# Altium PCB power-v3.3.PcbDoc (part 1 of 3)
Units mm, origin at the board's own origin, x right, y up, seen from the top; angles counter-clockwise.
Board outline 155.99 x 87.14 mm, 4 copper layers (Signal 1, Ground, Power, Signal 2), stack 1.536 mm thick; 227 components, 142 nets, 618 pads, 1072 vias.
Unrouted connection lines stored in the file: 100.
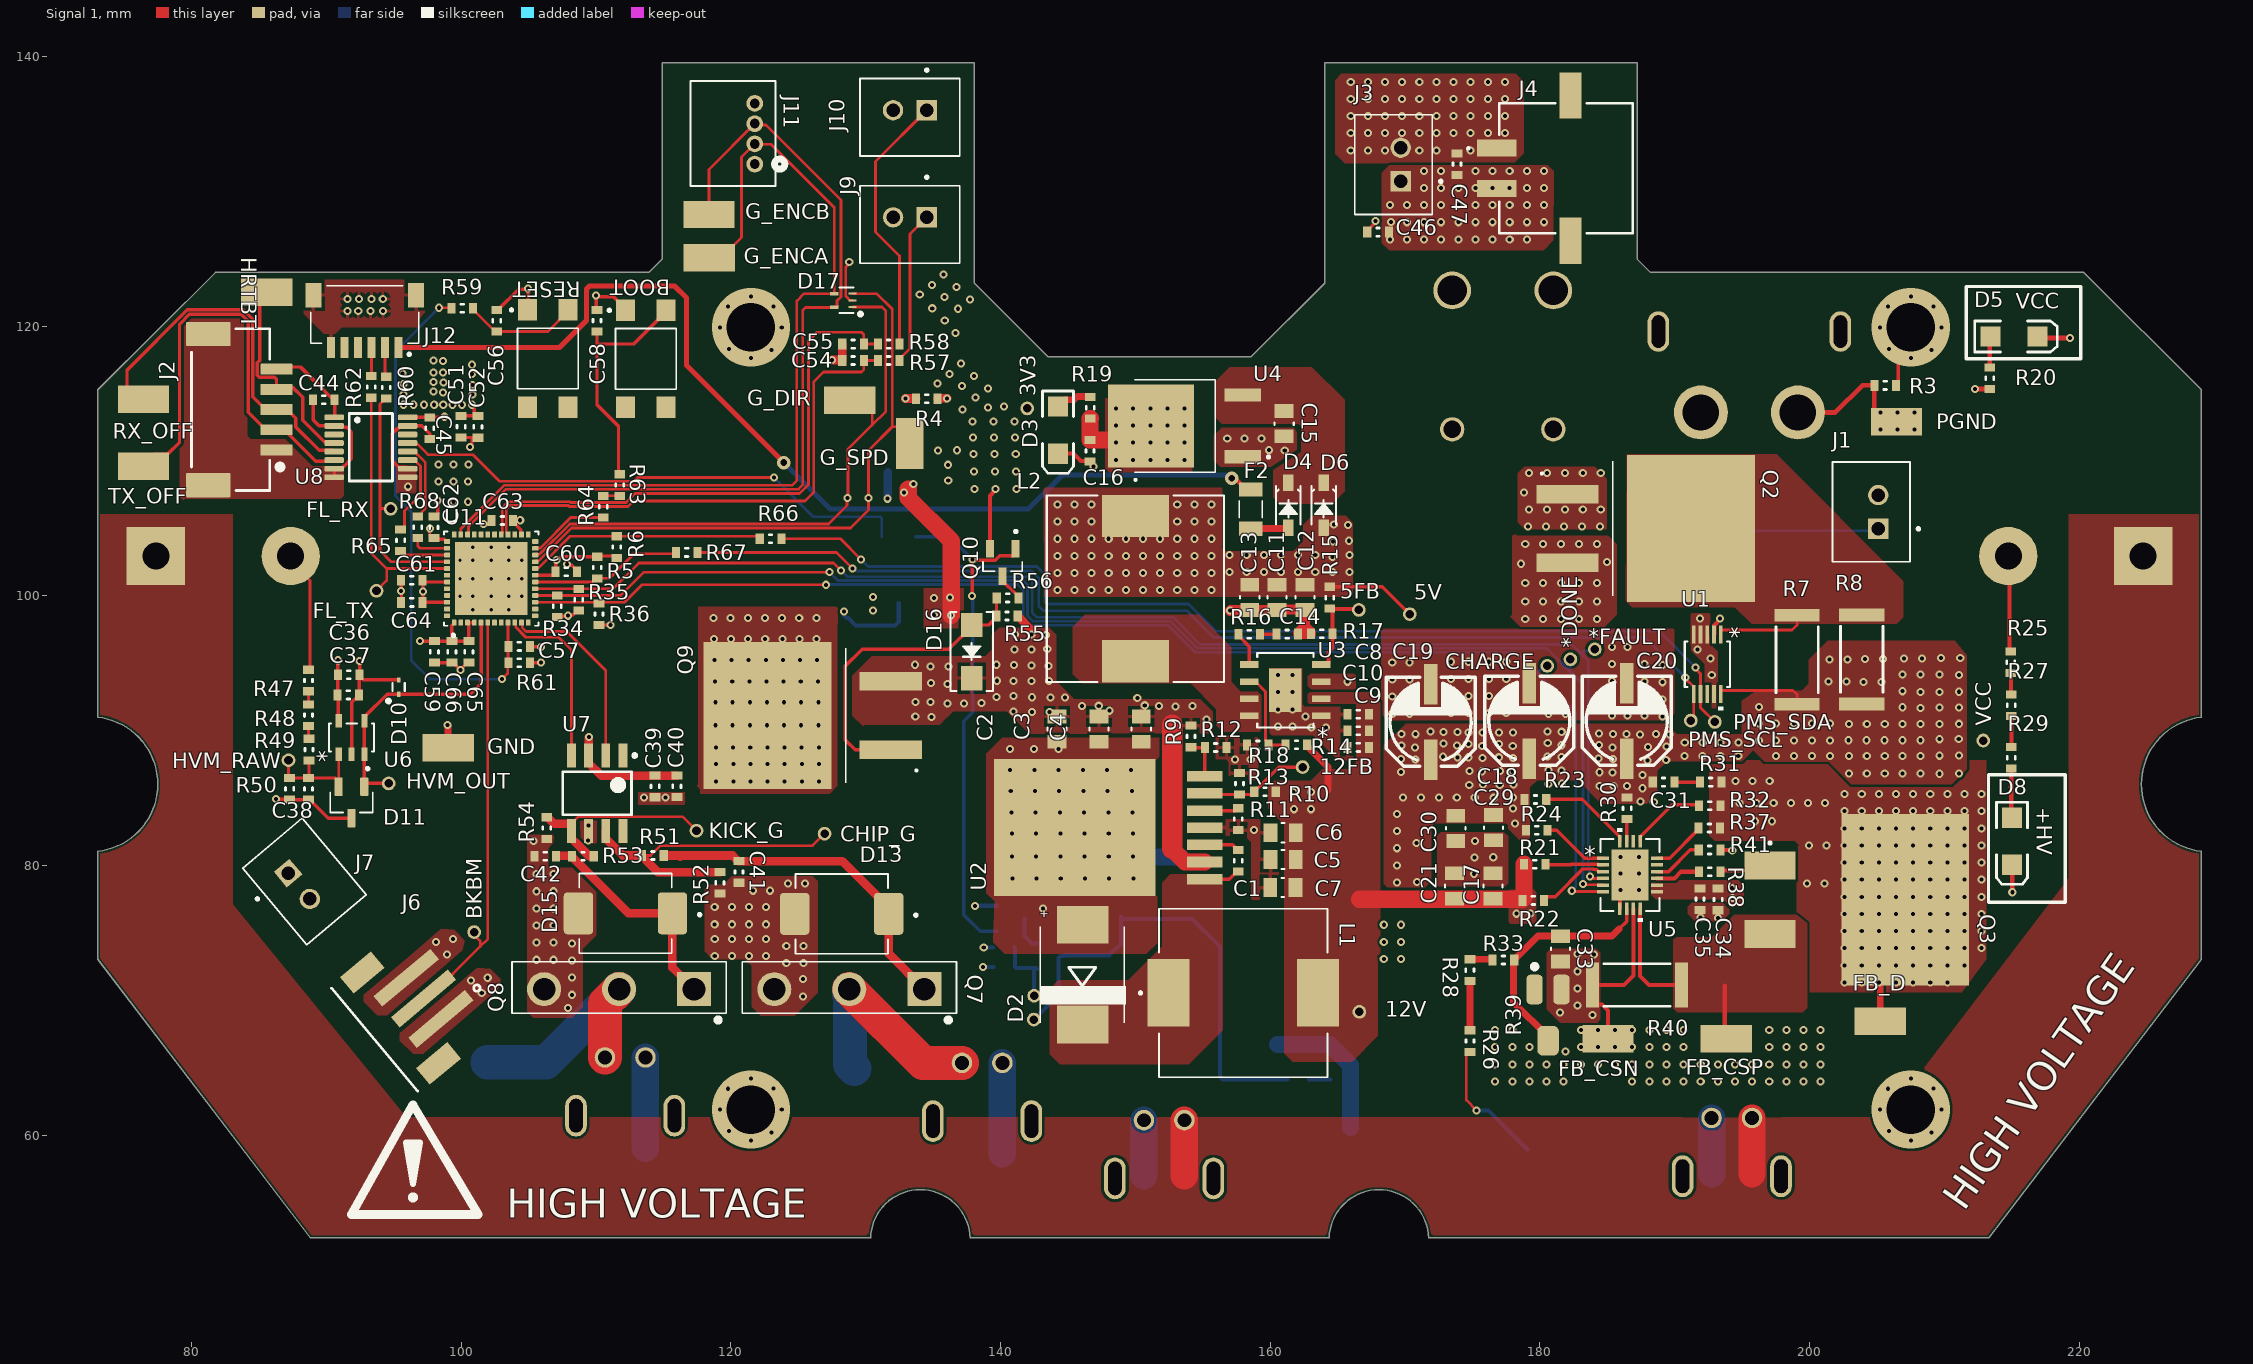
[diagram p0: Signal 1 view]
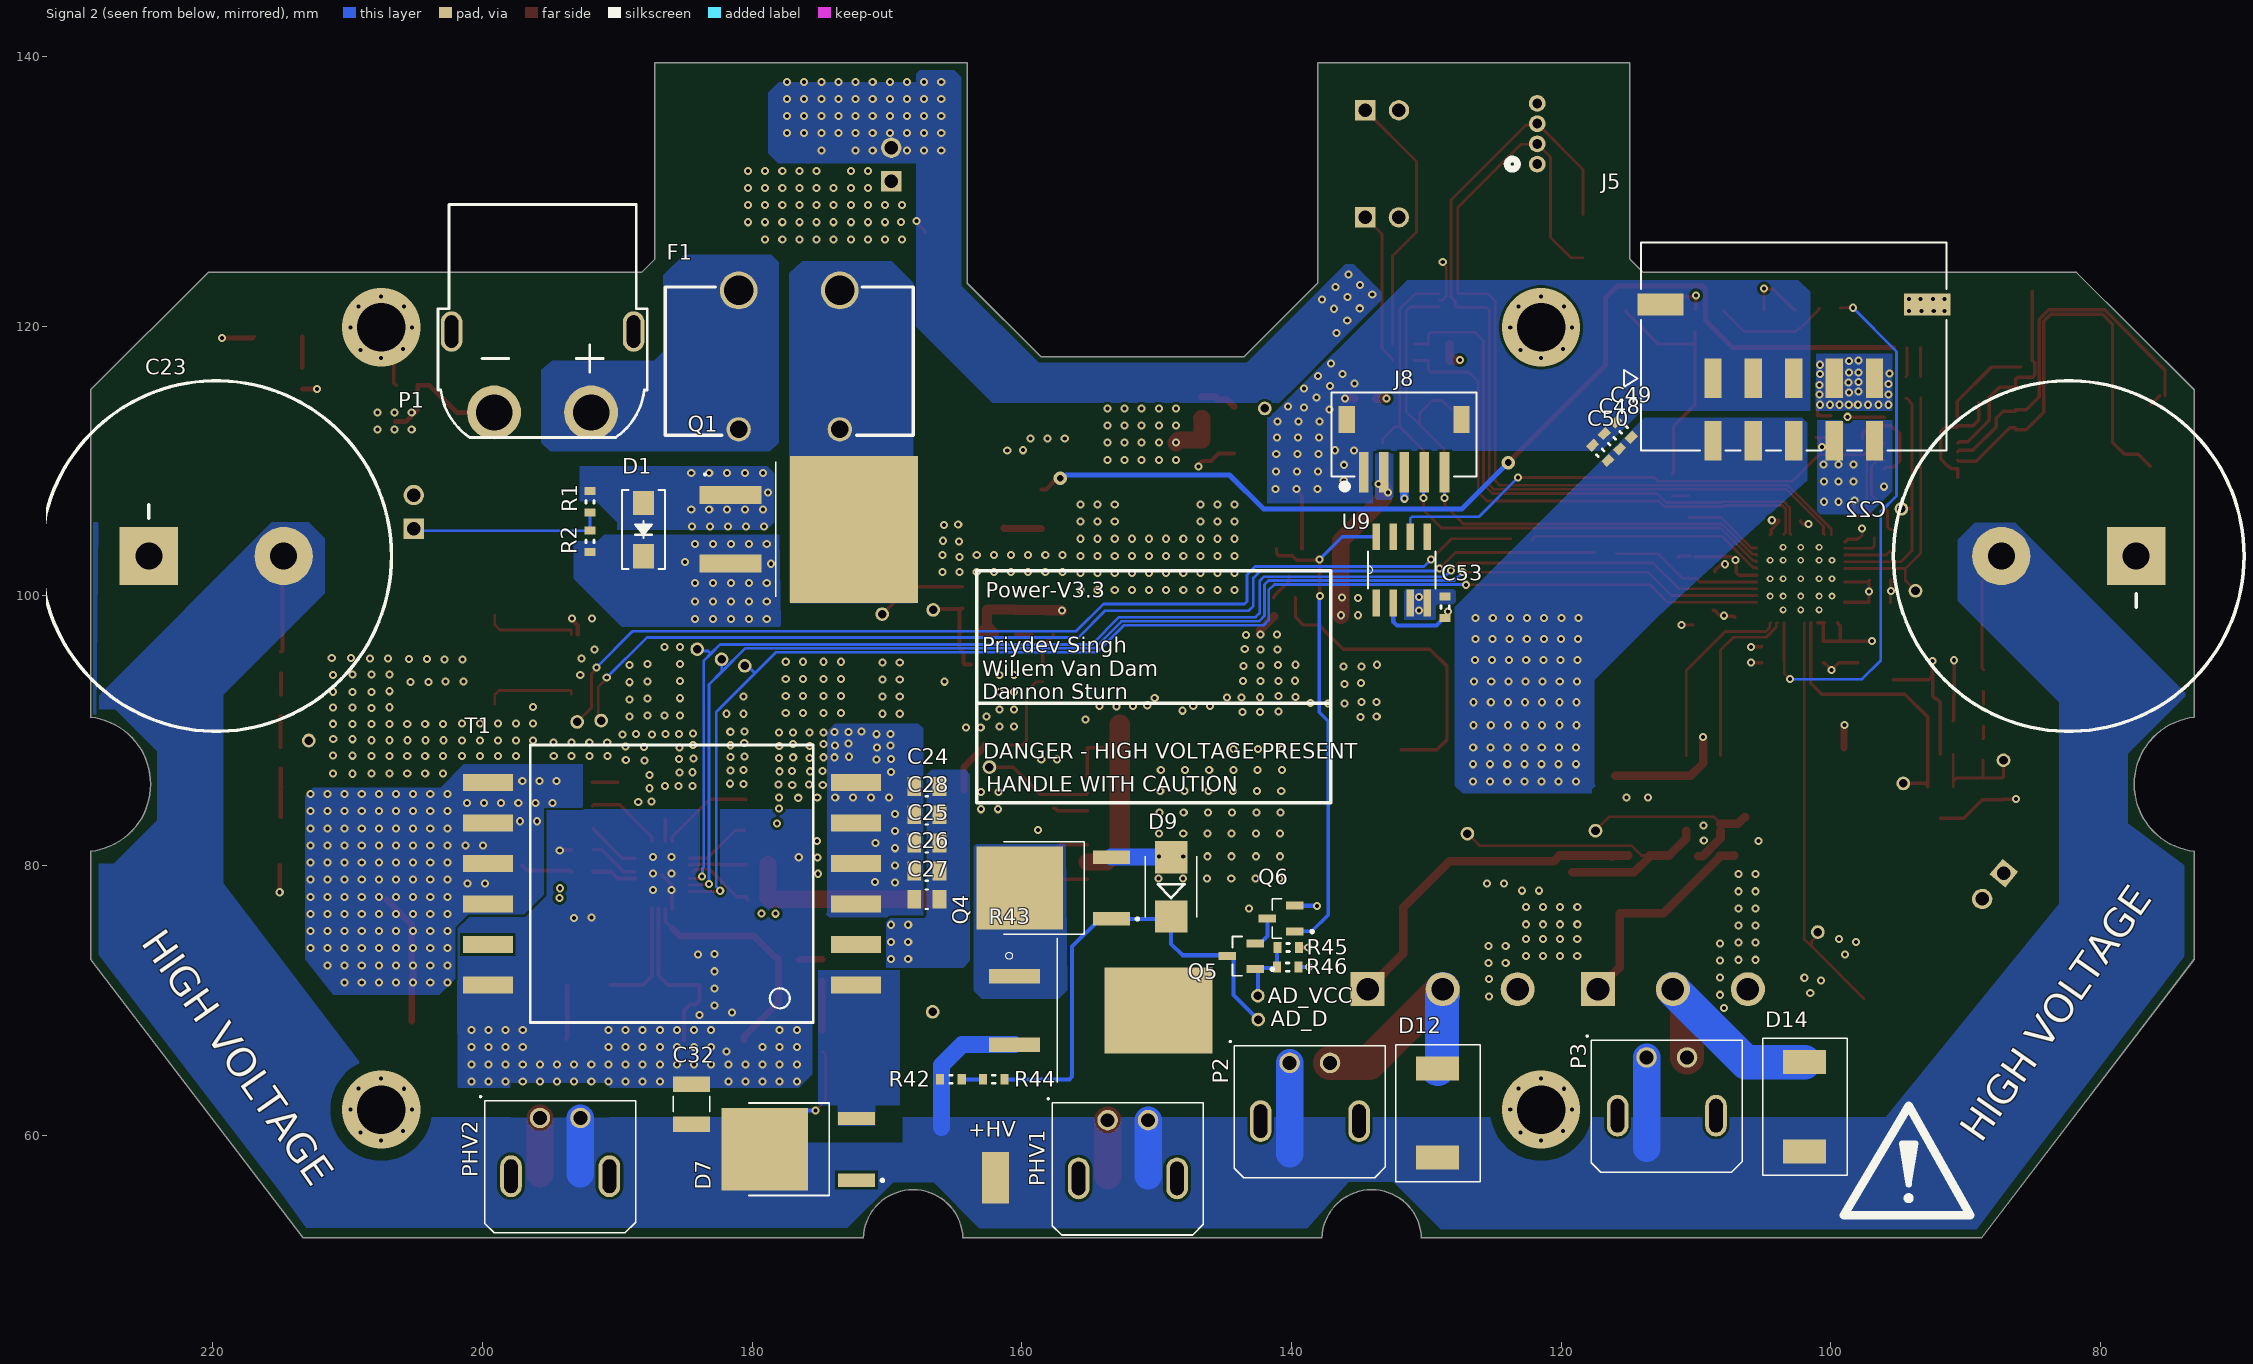
[diagram p1: Signal 2 view, seen from below]
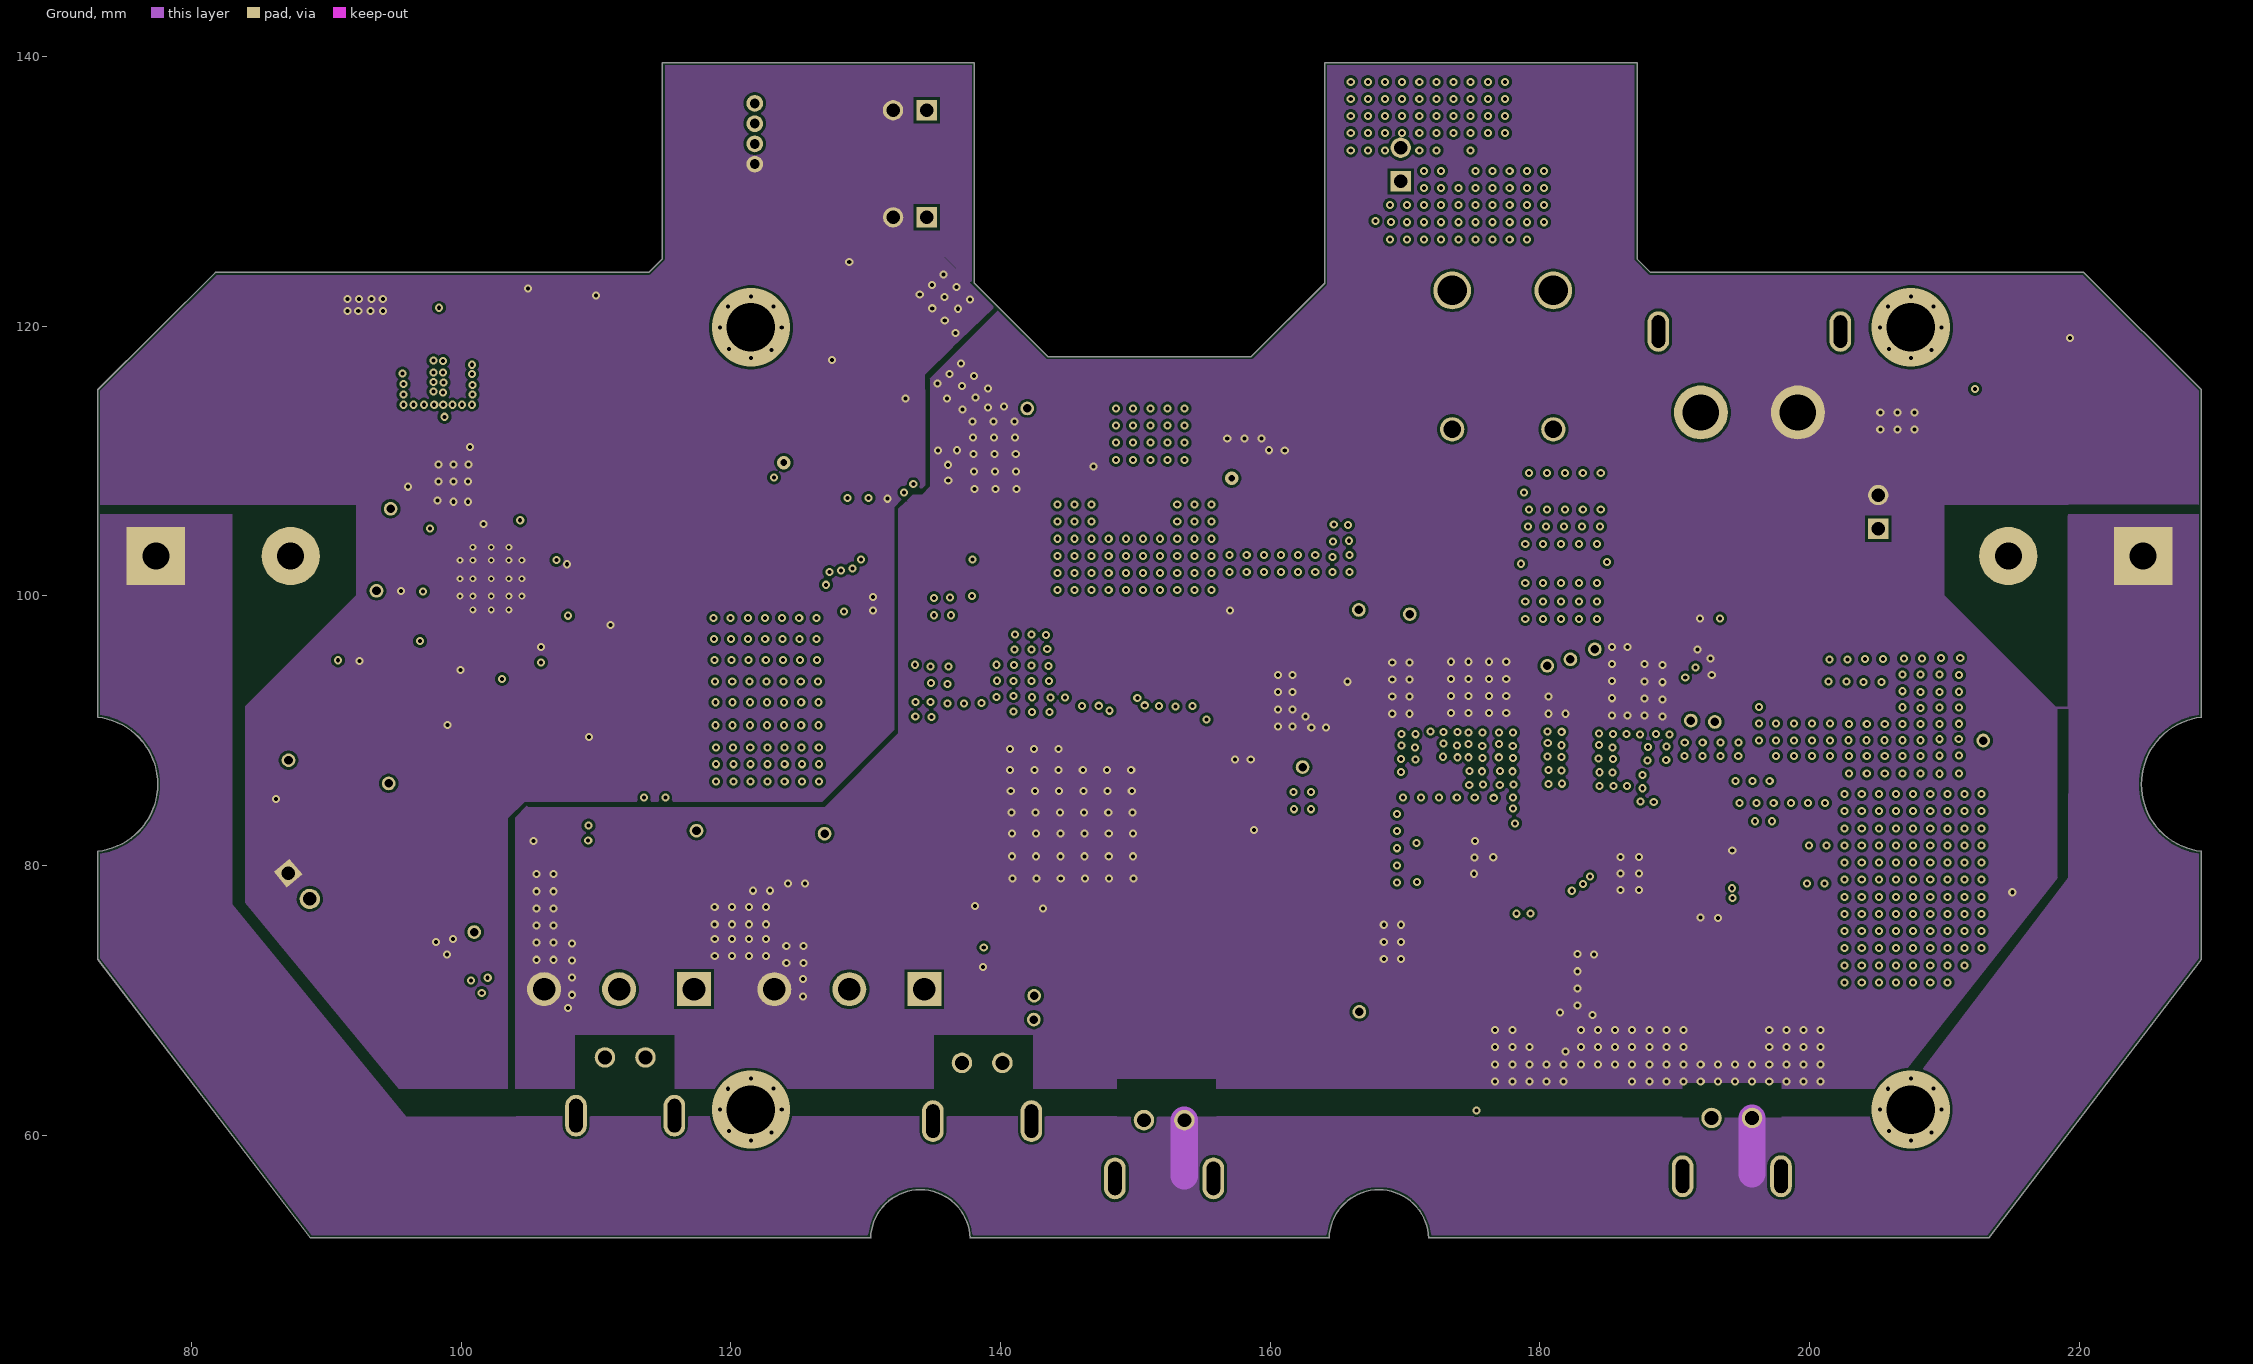
[diagram p2: Ground]
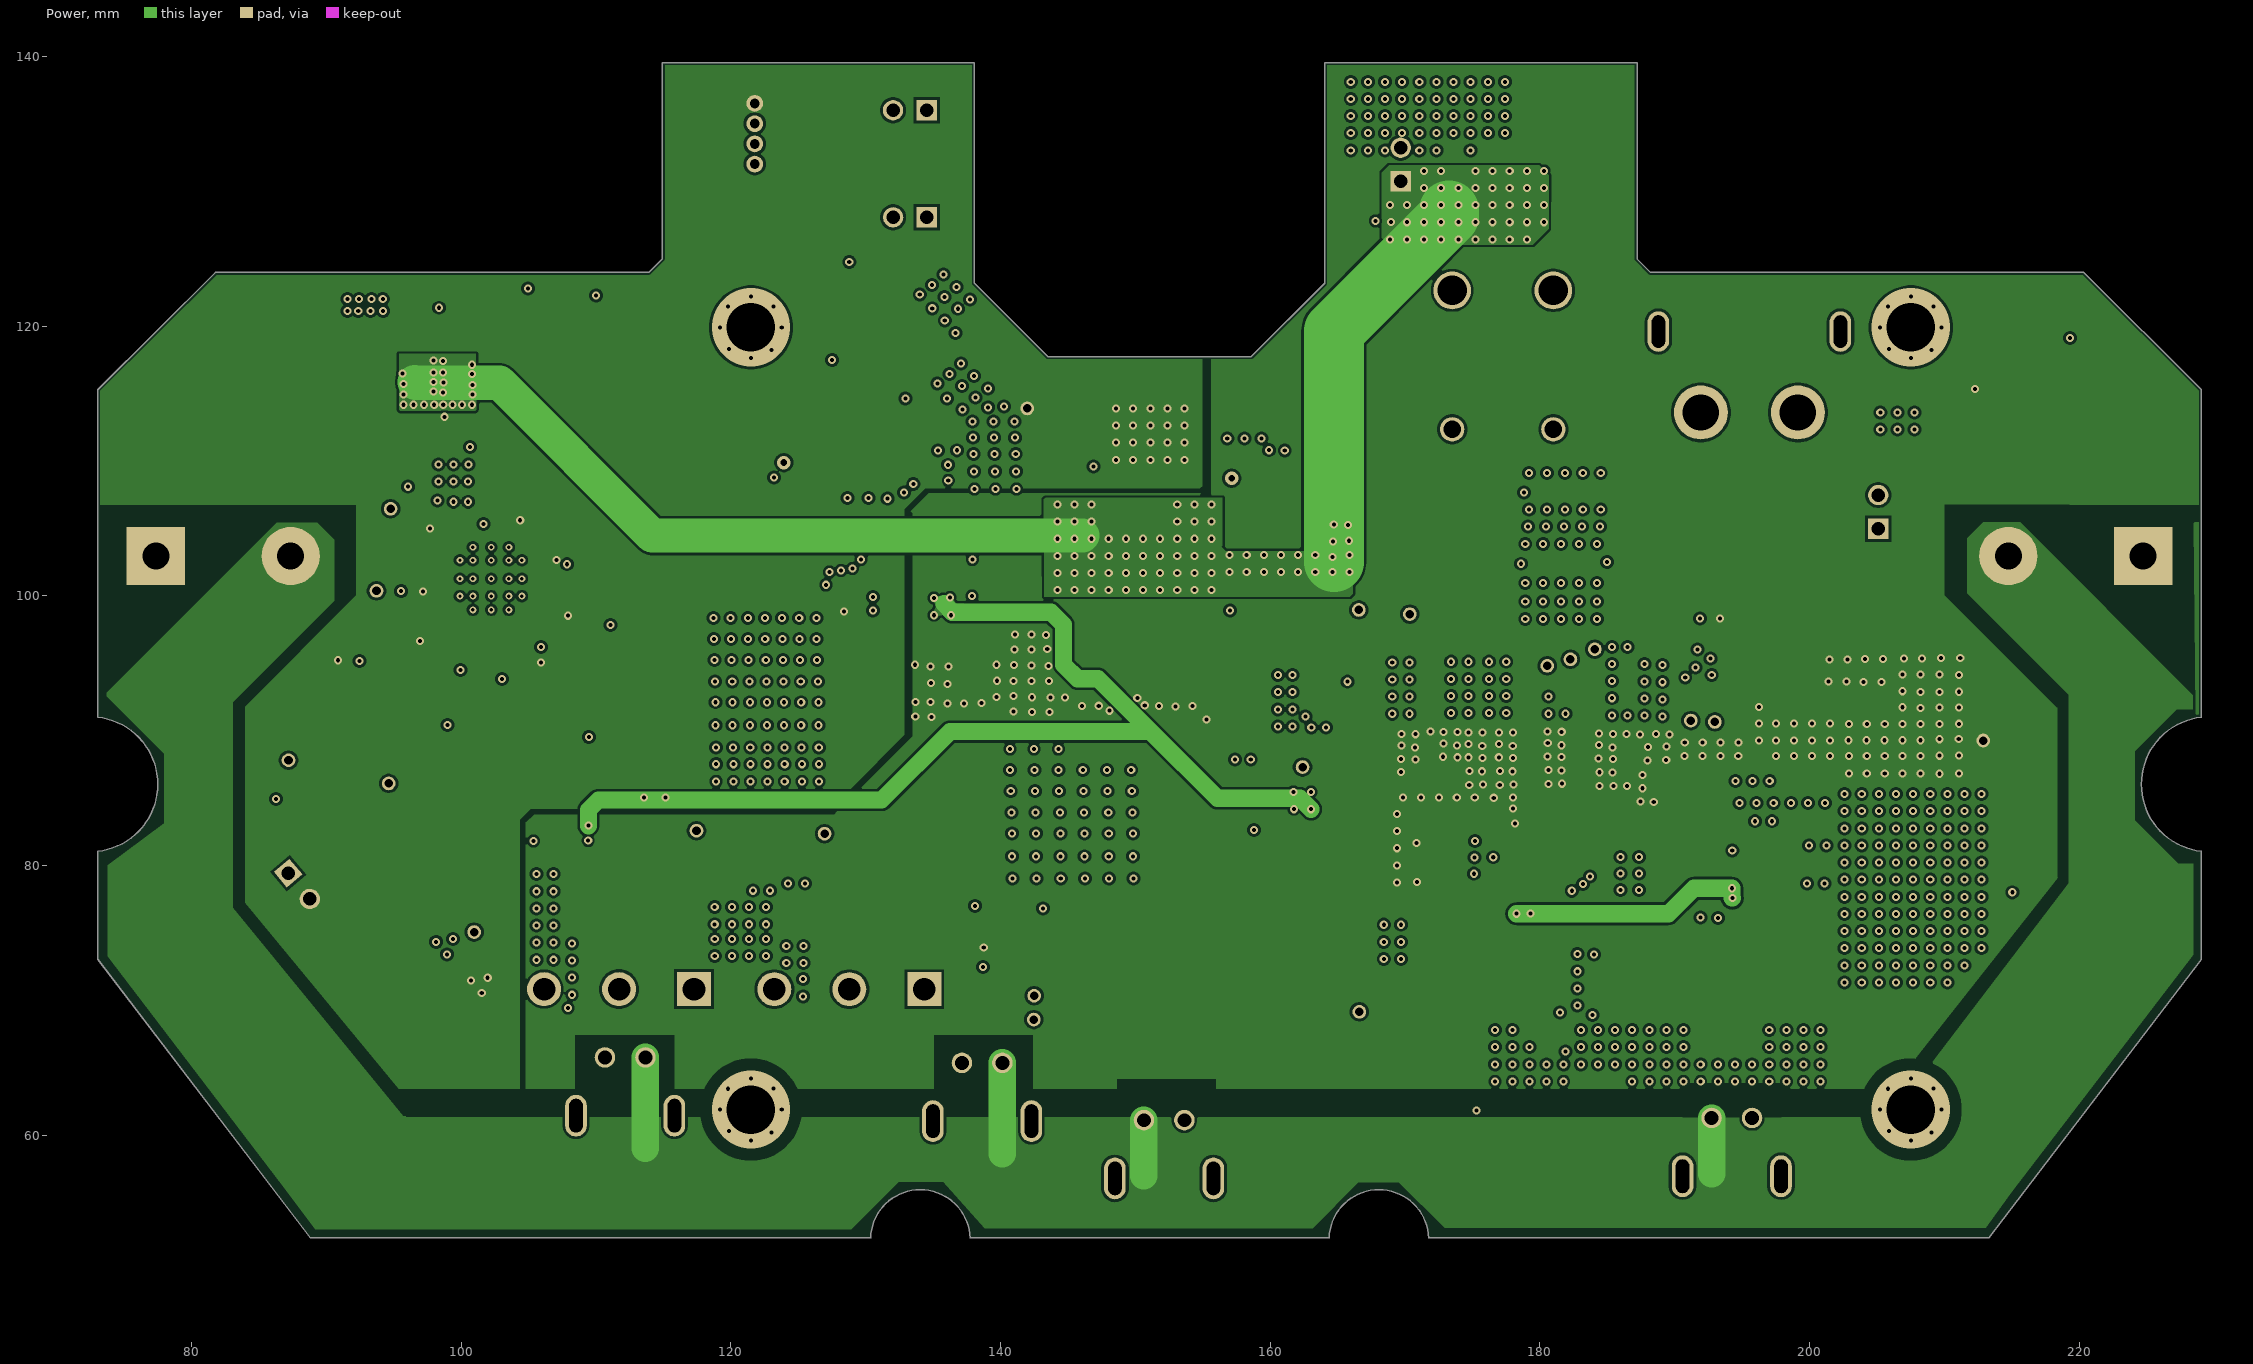
[diagram p3: Power]
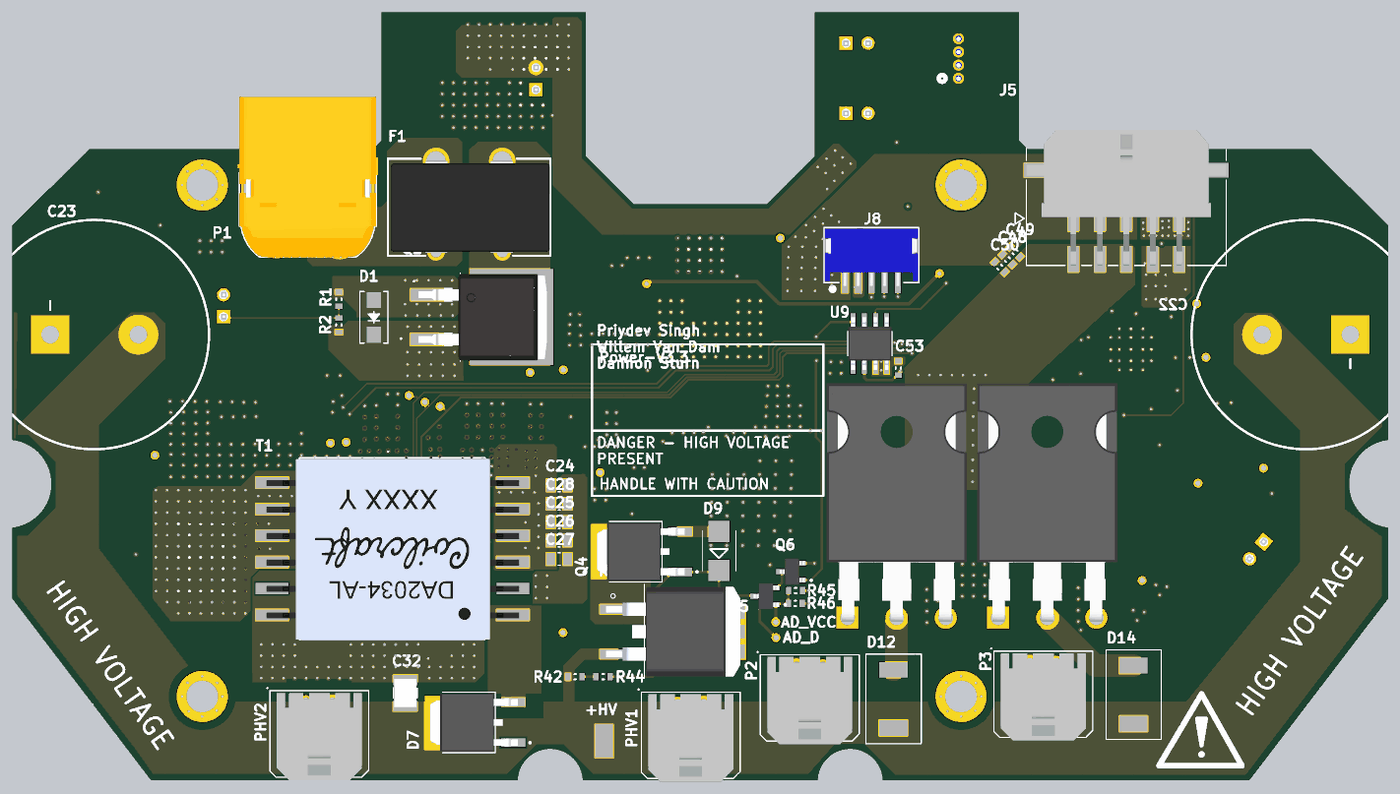
[diagram p6: 3D render of the assembled board from below, using the file's embedded part models]

## Layer stack, top to bottom
Top Solder: solder mask 0.0102, Solder Resist, Dk 3.5
Signal 1: signal copper 0.035
Dielectric 2: prepreg 0.2, PP-006, Dk 4.1
Ground: signal copper 0.0005
Dielectric 1: dielectric 1.065, FR-4, Dk 4.8
Power: signal copper 0.0005
Dielectric 3: prepreg 0.2, PP-006, Dk 4.1
Signal 2: signal copper 0.035
Bottom Solder: solder mask 0.0102, Solder Resist, Dk 3.5

## Board outline
73.059,73.063 73.059,81.063 ccw(c72.513,86.037) 73.059,91.011 73.059,115.287 81.791,123.992 113.92,123.992 114.935,125.007 114.935,139.539 138.069,139.539 138.069,123.18 143.523,117.743 158.585,117.743 164.039,123.18 164.039,139.539 187.198,139.539 187.198,124.982 188.188,123.992 220.317,123.992 229.049,115.287 229.049,91.011 ccw(c229.595,86.037) 229.049,81.063 229.049,73.063 213.274,52.396 171.742,52.396 ccw(c168.054,52.289) 164.366,52.396 137.742,52.396 ccw(c134.054,52.289) 130.366,52.396 88.834,52.396

## Design rules (kind name [scope] priority, off if disabled: settings)
BoardOutlineClearance [All] p1: gap=0.2 ignorepadtopadclearanceinfootprint=FALSE except(0.4: Arc-SplitBarrior Arc-SplitContinuation Track-SplitBarrior Track-SplitContinuation SMDPad-SplitBarrior SMDPad-SplitContinuation THPad-SplitBarrior THPad-SplitContinuation Via-SplitBarrior Via-SplitContinuation Fill-SplitBarrior Fill-SplitContinuation Poly-SplitBarrior Poly-SplitContinuation Region-SplitBarrior Region-SplitContinuation Text-SplitBarrior Text-SplitContinuation)
Clearance "Clearance Bottom Layer" [OnLayer('Bottom Layer')] p1: gap=0.203 ignorepadtopadclearanceinfootprint=TRUE except(0.254: Arc-Text Track-Text SMDPad-Text THPad-Text Via-Text Fill-Text Poly-Text Region-Text Text-Text)
Clearance "Clearance Top Layer" [OnLayer('Top Layer')] p2: gap=0.203 ignorepadtopadclearanceinfootprint=TRUE except(0.254: Arc-Text Track-Text SMDPad-Text THPad-Text Via-Text Fill-Text Poly-Text Region-Text Text-Text)
Clearance [All] p3: gap=0.2 ignorepadtopadclearanceinfootprint=FALSE except(0.089: Arc-Arc Arc-Track Arc-SMDPad Track-Track Track-SMDPad SMDPad-SMDPad; 0.127: Arc-Via Track-Via SMDPad-Via THPad-Via Via-Via; 0.254: Arc-Text Track-Text SMDPad-Text THPad-Text Via-Text Fill-Text Poly-Text Region-Text Text-Text)
HoleSize [All] p1: absolutevalues=TRUE maxlimit=6.3 minlimit=0.2 maxpercent=80.000 minpercent=20.000
MinimumAnnularRing [All] p1: minimumring=0.076
MinimumSolderMaskSliver [All] p1: minsoldermaskwidth=0.1
PolygonConnect "Power Monitor Polys" [All vs IsNamedPolygon('PGND_L01_P100')] p1: connectstyle=Direct reliefconductorwidth=0.254 reliefentries=4 polygonreliefangle="90 Angle" airgapwidth=0.254
PolygonConnect JET_CONN [All vs IsNamedPolygon('GND_JETSON_L01_P026')] p2: connectstyle=Direct reliefconductorwidth=0.254 reliefentries=4 polygonreliefangle="90 Angle" airgapwidth=0.254
PolygonConnect "Chicker Gate Driver" [All vs IsNamedPolygon('12V_L01_P095') Or IsNamedPolygon('PGND_L01_P096') Or IsNamedPolygon('PGND_L01_P097') Or IsNamedPolygon('PGND_L01_P098') Or IsNamedPolygon('12V_L01_P099')] p3: connectstyle=Direct reliefconductorwidth=0.254 reliefentries=4 polygonreliefangle="90 Angle" airgapwidth=0.254
PolygonConnect "12V Conn" [All vs IsNamedPolygon('12V_L01_P092') Or IsNamedPolygon('12V_L03_P091') Or IsNamedPolygon('12V_L04_P094')] p4: connectstyle=Direct reliefconductorwidth=0.254 reliefentries=4 polygonreliefangle="90 Angle" airgapwidth=0.254
PolygonConnect Watchdog [All vs IsNamedPolygon('GND_L04_P090')] p5: connectstyle=Direct reliefconductorwidth=0.254 reliefentries=4 polygonreliefangle="90 Angle" airgapwidth=0.254
PolygonConnect "Auto Discharge" [All vs IsNamedPolygon('NETQ4_2_L04_P089')] p6: connectstyle=Direct reliefconductorwidth=0.254 reliefentries=4 polygonreliefangle="90 Angle" airgapwidth=0.254
PolygonConnect "Transformer Output" [All vs IsNamedPolygon('NETD7_IN_L04_P088')] p7: connectstyle=Direct reliefconductorwidth=0.254 reliefentries=4 polygonreliefangle="90 Angle" airgapwidth=0.254
PolygonConnect VCC-PGND [All vs IsNamedPolygon('PGND_L04_P086') Or IsNamedPolygon('VCC_L04_P087')] p8: connectstyle=Direct reliefconductorwidth=0.254 reliefentries=4 polygonreliefangle="90 Angle" airgapwidth=0.254
PolygonConnect "Flyback FB / PGND" [All vs IsNamedPolygon('NETFB_D1_1_L01_P083') Or IsNamedPolygon('NETFB_D1_1_L04_P076') Or IsNamedPolygon('PGND_L04_P081') Or IsNamedPolygon('PGND_L01_P084') Or IsNamedPolygon('PGND_L01_P085') Or IsNamedPolygon('NETFB_D_1_L01_P083') Or IsNamedPolygon('NETFB_D_1_L04_P076')] p9: connectstyle=Direct reliefconductorwidth=0.254 reliefentries=4 polygonreliefangle="90 Angle" airgapwidth=0.254
PolygonConnect "HV-PGND Border" [All vs IsNamedPolygon('PGND_L01_P-001') Or IsNamedPolygon('PGND_L01_P-001') Or IsNamedPolygon('+HV_L03_P032') Or IsNamedPolygon('+HV_L04_P079')] p10: connectstyle=Direct reliefconductorwidth=0.254 reliefentries=4 polygonreliefangle="90 Angle" airgapwidth=0.254
PolygonConnect "Bkbm Conn" [All vs IsNamedPolygon('3V3_L01_P074') Or IsNamedPolygon('GND_L01_P075')] p11: connectstyle=Direct reliefconductorwidth=0.254 reliefentries=4 polygonreliefangle="90 Angle" airgapwidth=0.254
PolygonConnect "12V Flyback" [All vs IsNamedPolygon('12V_L01_P069') Or IsNamedPolygon('12V_L01_P070') Or IsNamedPolygon('PGND_L01_P071') Or IsNamedPolygon('LT_CSP_L01_P072') Or IsNamedPolygon('PGND_L01_P073')] p12: connectstyle=Direct reliefconductorwidth=0.254 reliefentries=4 polygonreliefangle="90 Angle" airgapwidth=0.254
PolygonConnect VBAT_1 [All vs IsNamedPolygon('+VBAT_L04_P067') Or IsNamedPolygon('NETF1_1_L04_P068')] p13: connectstyle=Direct reliefconductorwidth=0.254 reliefentries=4 polygonreliefangle="90 Angle" airgapwidth=0.254
PolygonConnect "3V3 Reg" [All vs IsNamedPolygon('NETC15_1_L01_P064') Or IsNamedPolygon('PGND_L01_P065') Or IsNamedPolygon('3V3_L01_P028')] p14: connectstyle=Direct reliefconductorwidth=0.254 reliefentries=4 polygonreliefangle="90 Angle" airgapwidth=0.254
PolygonConnect "5V Input" [All vs IsNamedPolygon('12V_L01_P059') Or IsNamedPolygon('PGND_L01_P060') Or IsNamedPolygon('NETL2_2_L01_P062') Or IsNamedPolygon('PGND_L01_P063')] p15: connectstyle=Direct reliefconductorwidth=0.254 reliefentries=4 polygonreliefangle="90 Angle" airgapwidth=0.254
PolygonConnect "PGND 12V after" [All vs IsNamedPolygon('PGND_L01_P056')] p16: thpad.connectstyle=Direct thpad.reliefconductorwidth=0.254 thpad.reliefentries=4 thpad.polygonreliefangle="90 Angle" thpad.airgapwidth=0.254 smdpad.connectstyle=Relief smdpad.reliefconductorwidth=0.254 smdpad.reliefentries=4 smdpad.polygonreliefangle="90 Angle" smdpad.airgapwidth=0.254 via.connectstyle=Direct via.reliefconductorwidth=0.254 via.reliefentries=4 via.polygonreliefangle="90 Angle" via.airgapwidth=0.254
PolygonConnect "12V Poly" [All vs IsNamedPolygon('12V_L01_P055') Or IsNamedPolygon('NETC1_1_L01_P057') Or IsNamedPolygon('12V_L01_P058')] p17: connectstyle=Direct reliefconductorwidth=0.254 reliefentries=4 polygonreliefangle="90 Angle" airgapwidth=0.254
PolygonConnect PolygonConnect_2 [All vs IsNamedPolygon('PGND_L01_P054')] p18: thpad.connectstyle=Direct thpad.reliefconductorwidth=0.254 thpad.reliefentries=4 thpad.polygonreliefangle="90 Angle" thpad.airgapwidth=0.254 smdpad.connectstyle=Relief smdpad.reliefconductorwidth=0.254 smdpad.reliefentries=4 smdpad.polygonreliefangle="90 Angle" smdpad.airgapwidth=0.254 via.connectstyle=Direct via.reliefconductorwidth=0.254 via.reliefentries=4 via.polygonreliefangle="90 Angle" via.airgapwidth=0.254
PolygonConnect 12V_regGND [All vs IsNamedPolygon('PGND_L01_P053') Or IsNamedPolygon('PGND_L01_P052')] p19: connectstyle=Direct reliefconductorwidth=0.254 reliefentries=4 polygonreliefangle="90 Angle" airgapwidth=0.254
PolygonConnect "12V Comp GND" [All vs IsNamedPolygon('PGND_L01_P051')] p20: thpad.connectstyle=Direct thpad.reliefconductorwidth=0.254 thpad.reliefentries=4 thpad.polygonreliefangle="90 Angle" thpad.airgapwidth=0.254 smdpad.connectstyle=Relief smdpad.reliefconductorwidth=0.254 smdpad.reliefentries=4 smdpad.polygonreliefangle="90 Angle" smdpad.airgapwidth=0.254 via.connectstyle=Direct via.reliefconductorwidth=0.254 via.reliefentries=4 via.polygonreliefangle="90 Angle" via.airgapwidth=0.254